# KiCad board cleanrobot-square-main.kicad_pcb
title: HJCS01_Main; date: 2024-05-20; rev: V0.5; company: Ovobot; note: 123x61x1.6mm 白字绿油，无铅喷锡。
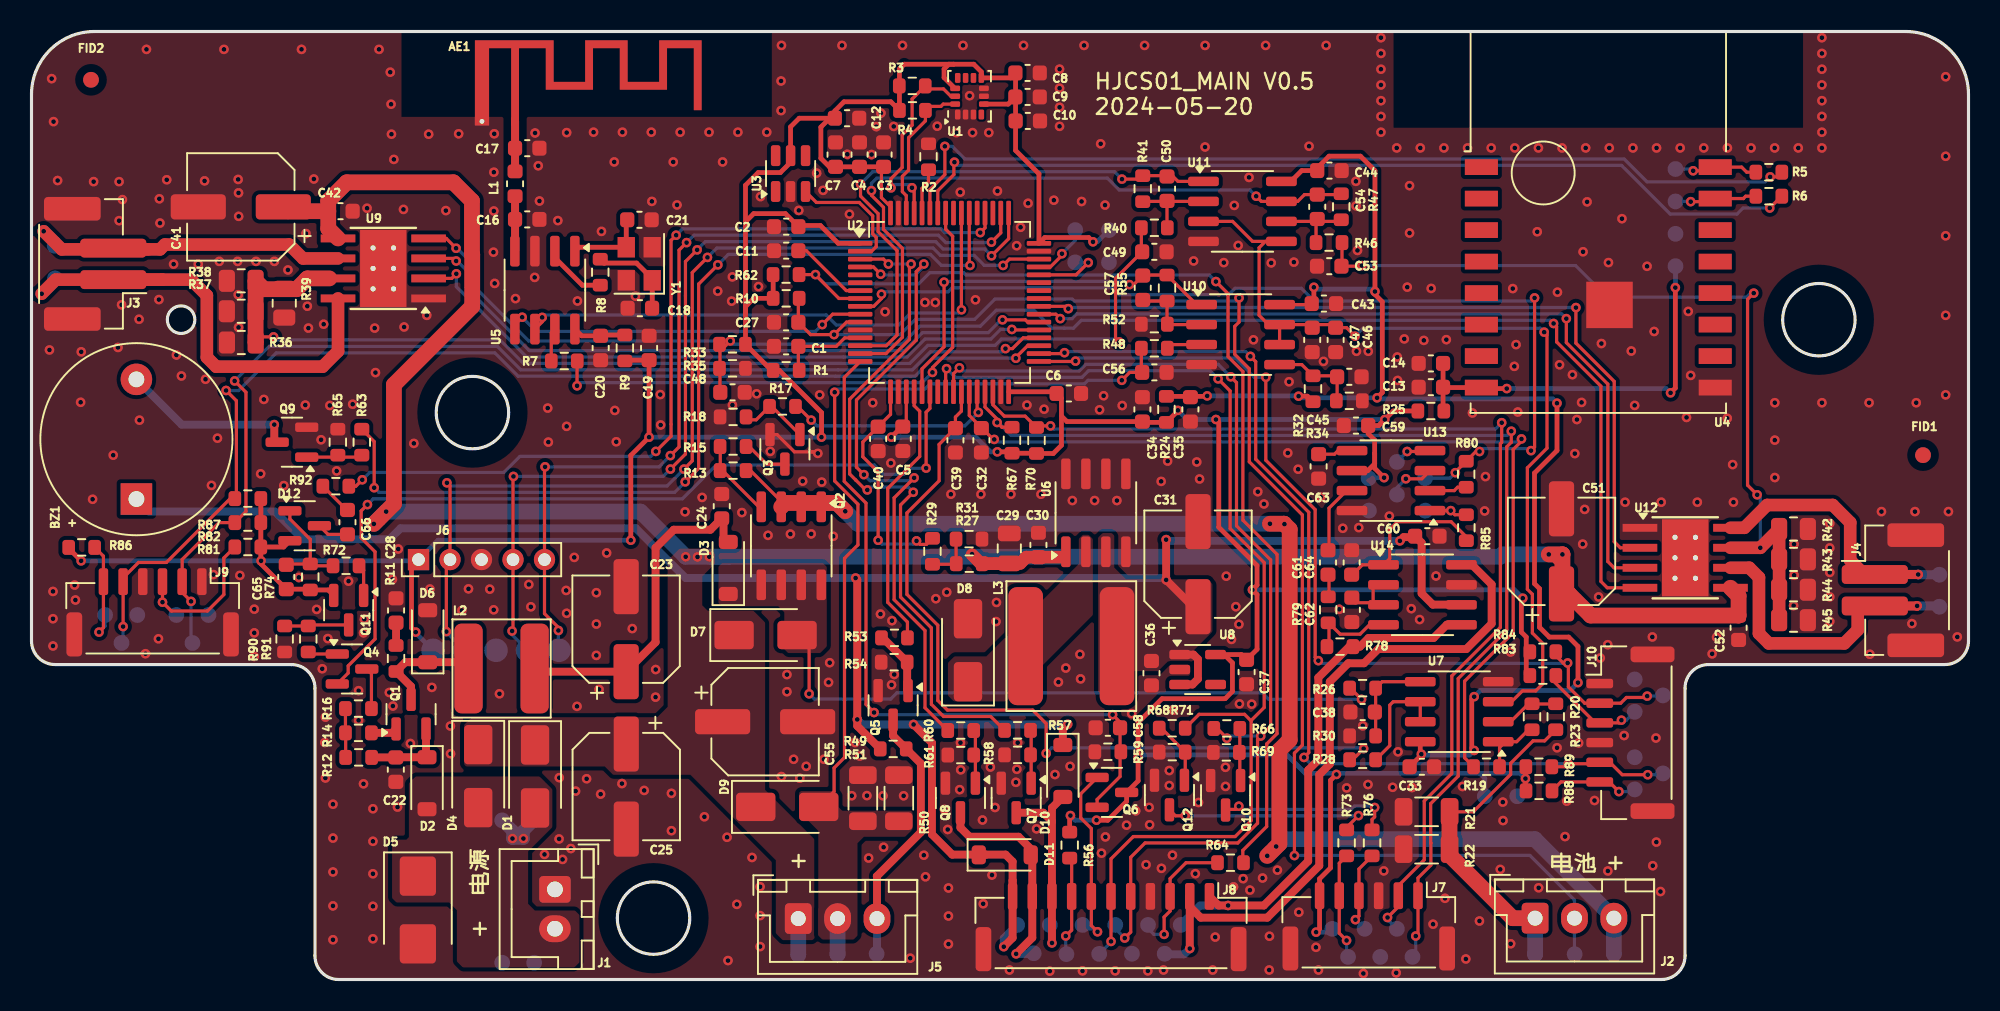
[diagram p0: board, top side]
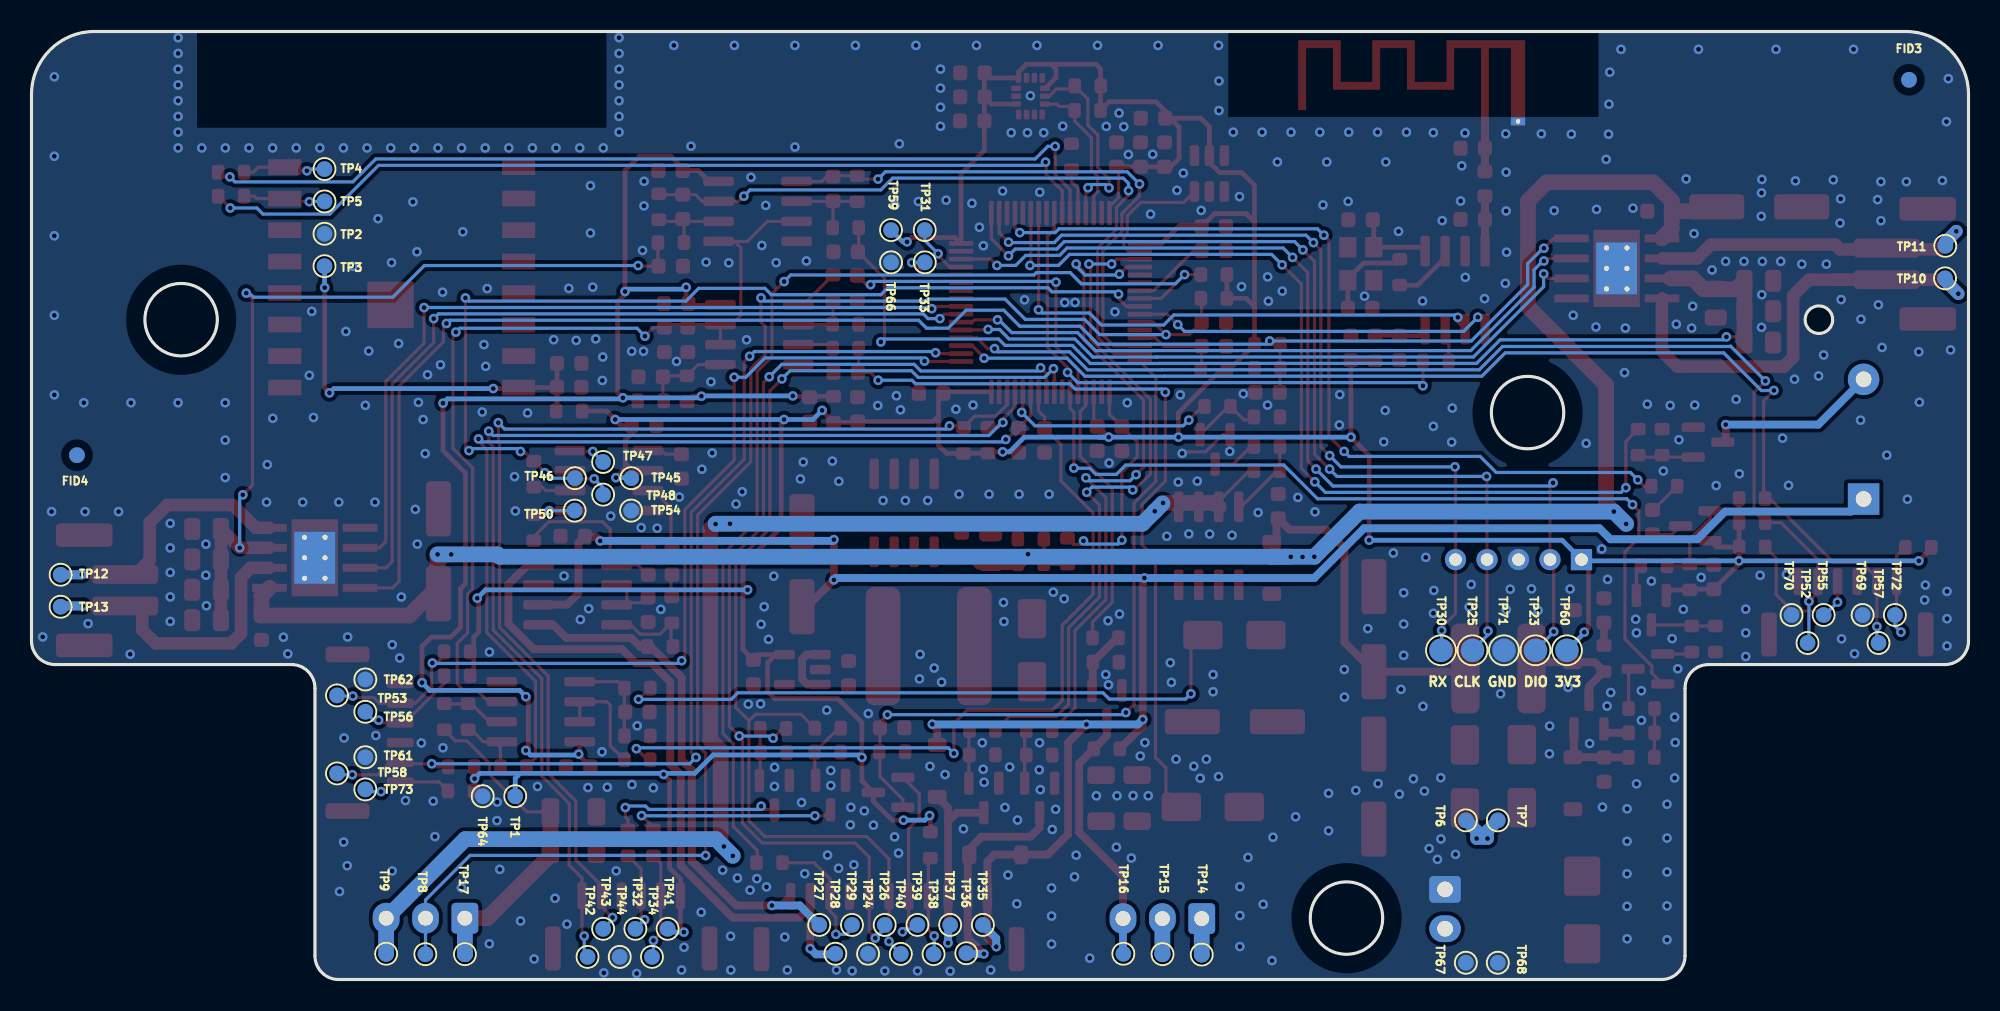
[diagram p1: board, bottom side, seen from below]

Outline 123 x 60.2 mm; copper layers: Top, Bottom. Coordinates in mm from the lower left corner of the outline.
Outline path: circle c9.5,41.9 r0.88 ; circle c28,36 r2.3 ; circle c39.5,3.9 r2.3 ; circle c113.5,41.9 r2.3 ; 105,18.5 arc(105.44,19.56) 106.5,20 ; 105,1.5 105,18.5 ; 105,1.5 arc(104.56,0.44) 103.5,0 19.5,0 arc(18.44,0.44) 18,1.5 18,18.5 arc(17.56,19.56) 16.5,20 1.5,20 arc(0.44,20.44) 0,21.5 0,56.2 arc(1.17,59.03) 4,60.2 119,60.2 arc(121.83,59.03) 123,56.2 123,21.5 arc(122.56,20.44) 121.5,20 106.5,20
Stack: Top 0.035mm / dielectric 1.51mm FR4 er 4.5 / Bottom 0.035mm

## Placement (name value [footprint] x y rotation side)
AE1  Antenna_Shield  [Texas_SWRA117D_2.4GHz_Right]  30.71 54.49 0 top
BZ1  85dB/5V  [Buzzer_12x9.5RM7.6]  6.66 30.51 90 top
C1  0.1uF  [C_0603_1608Metric]  47.92 40.21 0 top
C2  0.1uF  [C_0603_1608Metric]  47.92 47.81 0 top
C3  0.1uF  [C_0603_1608Metric]  54.1 52.38 270 top
C4  0.1uF  [C_0603_1608Metric]  52.58 52.38 270 top
C5  0.1uF  [C_0603_1608Metric]  55.33 34.34 90 top
C6  0.1uF  [C_0603_1608Metric]  65.87 37.21 180 top
C7  4.7uF  [C_0603_1608Metric]  51.06 52.38 270 top
C8  10nF  [C_0603_1608Metric]  63.25 57.57 180 top
C9  0.1uF  [C_0603_1608Metric]  63.25 56.04 180 top
C10  2.2uF  [C_0603_1608Metric]  63.26 54.52 180 top
C11  0.1uF  [C_0603_1608Metric]  47.92 46.28 0 top
C12  0.1uF  [C_0603_1608Metric]  51.79 54.69 0 top
C13  1uF  [C_0603_1608Metric]  88.86 37.61 180 top
C14  0.1uF  [C_0603_1608Metric]  88.86 39.12 180 top
C16  1.2pF  [C_0603_1608Metric]  31.48 48.27 180 top
C17  0.5pF  [C_0603_1608Metric]  31.48 52.79 180 top
C18  22pF  [C_0603_1608Metric]  38.63 42.63 180 top
C19  1uF  [C_0603_1608Metric]  39.22 40.1 90 top
C20  0.1uF  [C_0603_1608Metric]  36.14 40.1 270 top
C21  22pF  [C_0603_1608Metric]  38.61 48.24 0 top
C22  0.1uF  [C_0603_1608Metric]  23.13 13.33 270 top
C23  100uF/35V  [CP_Elec_6.3x7.7]  37.76 22.25 90 top
C24  0.1uF  [C_0603_1608Metric]  43.83 30.05 90 top
C25  100uF/35V  [CP_Elec_6.3x7.7]  37.77 12.25 270 top
C27  0.1uF  [C_0603_1608Metric]  47.92 41.73 180 top
C28  1nF  [C_0603_1608Metric]  23.15 23.43 90 top
C29  10uF/35V  [C_0805_2012Metric]  62.09 27.37 90 top
C30  1uF  [C_0603_1608Metric]  63.94 27.59 90 top
C31  470uF/10V  [CP_Elec_6.3x7.7]  74.07 26.38 90 top
C32  0.1uF  [C_0603_1608Metric]  60.32 34.24 270 top
C33  0.1uF  [C_0603_1608Metric]  88.29 13.51 0 top
C34  1uF  [C_0603_1608Metric]  70.54 36.2 90 top
C35  1uF  [C_0603_1608Metric]  73.59 36.2 270 top
C36  1uF  [C_0603_1608Metric]  71.12 19.45 270 top
C37  1uF  [C_0603_1608Metric]  77.16 19.53 270 top
C38  0.1uF  [C_0603_1608Metric]  84.53 16.98 180 top
C39  0.1uF  [C_0603_1608Metric]  58.67 34.24 270 top
C40  0.1uF  [C_0603_1608Metric]  53.76 34.33 270 top
C41  100uF/35V  [CP_Elec_6.3x7.7]  13.29 49.06 180 top
C42  0.1uF  [C_0603_1608Metric]  19.62 48.79 0 top
C43  0.1uF  [C_0603_1608Metric]  82.07 42.92 0 top
C44  0.1uF  [C_0603_1608Metric]  82.42 51.37 0 top
C45  0.1uF  [C_0603_1608Metric]  83.68 38.27 0 top
C46  0.1uF  [C_0603_1608Metric]  82.81 40.62 270 top
C47  10nF  [C_0603_1608Metric]  81.32 40.62 270 top
C48  0.1uF  [C_0603_1608Metric]  44.51 37.29 0 top
C49  0.1uF  [C_0603_1608Metric]  71.3 46.21 0 top
C50  0.1uF  [C_0603_1608Metric]  72.11 50.22 90 top
C51  100uF/35V  [CP_Elec_6.3x7.7]  97.16 27.19 90 top
C52  0.1uF  [C_0603_1608Metric]  108.4 22.34 270 top
C53  0.1uF  [C_0603_1608Metric]  82.41 45.3 180 top
C54  0.1uF  [C_0603_1608Metric]  81.64 49.07 90 top
C55  100uF/35V  [CP_Elec_6.3x7.7]  46.59 16.37 0 top
C56  0.1uF  [C_0603_1608Metric]  71.3 38.55 180 top
C57  0.1uF  [C_0603_1608Metric]  70.56 43.93 90 top
C58  1uF  [C_0603_1608Metric]  68.35 15.98 180 top
C59  10uF  [C_0603_1608Metric]  84.1 35.18 180 top
C60  1uF  [C_0603_1608Metric]  88.63 28.15 0 top
C61  0.47uF  [C_0603_1608Metric]  82.33 26.48 270 top
C62  1uF  [C_0603_1608Metric]  83.84 23.48 90 top
C63  1nF  [C_0603_1608Metric]  81.73 32.58 270 top
C64  1uF  [C_0603_1608Metric]  83.83 26.48 90 top
C65  10uF  [C_0603_1608Metric]  16.18 25.56 90 top
C66  1uF  [C_0603_1608Metric]  20.06 29.04 90 top
D1  SS34  [D_SMA]  31.98 12.89 270 top
D2  SS14  [D_SOD-123]  25.12 12.46 270 top
D3  SS14  [D_SOD-123]  44.25 26.13 90 top
D4  SS34  [D_SMA]  28.37 12.91 270 top
D5  SMBJ26CA  [D_SMB]  24.53 4.41 270 top
D6  SS14  [D_SOD-123]  25.16 21.8 90 top
D7  SS34  [D_SMA]  46.61 21.87 0 top
D8  SS34  [D_SMA]  59.47 20.91 90 top
D9  1N4004  [D_SMA]  47.99 10.96 0 top
D10  SS14  [D_SOD-123]  65.49 13.24 270 top
D11  SS14  [D_SOD-123]  61.8 7.92 0 top
D12  BAV99  [SOT-23]  17.35 28.81 0 top
FID1  Fiducial  [Fiducial_1mm_Mask2mm]  120.11 33.3 0 top
FID2  Fiducial  [Fiducial_1mm_Mask2mm]  3.78 57.13 0 top
FID3  Fiducial  [Fiducial_1mm_Mask2mm]  3.78 57.13 180 bottom
FID4  Fiducial  [Fiducial_1mm_Mask2mm]  120.11 33.3 180 bottom
J1  XHB2.54MM/2A  [JST_XH_B2B-XH-A_1x02_P2.50mm_Vertical]  33.24 5.72 270 top
J2  XHB2.54MM/3A  [JST_XH_B3B-XH-A_1x03_P2.50mm_Vertical]  95.48 3.89 0 top
J3  HY-2.0MM/2ASMT  [YH_HY_2AB_1x02-1MP_P2.00mm_Vertical]  3.79 45.44 90 top
J4  HY-2.0MM/2ASMT  [YH_HY_2AB_1x02-1MP_P2.00mm_Vertical]  118.45 24.72 270 top
J5  XHB2.54MM/3A  [JST_XH_B3B-XH-A_1x03_P2.50mm_Vertical]  48.69 3.87 0 top
J6  Conn_01x05  [PinHeader_1x05_P2.00mm_Vertical]  24.58 26.67 90 top
J7  GH1.25MM/6ASMT  [JST_GH_BM06B-GHS-TBT_1x06-1MP_P1.25mm_Vertical]  84.92 3.37 180 top
J8  GH1.25MM/11ASMT  [JST_GH_BM11B-GHS-TBT_1x11-1MP_P1.25mm_Vertical]  68.55 3.33 180 top
J9  GH1.25MM/6ASMT  [JST_GH_BM06B-GHS-TBT_1x06-1MP_P1.25mm_Vertical]  7.69 23.31 180 top
J10  GH1.25MM/6ASMT  [JST_GH_BM06B-GHS-TBT_1x06-1MP_P1.25mm_Vertical]  101.53 15.67 270 top
L1  3.6uH  [L_0603_1608Metric]  30.71 50.53 90 top
L2  100uH  [L_GZJ_WNR6045]  29.85 19.75 0 top
L3  68uH  [L_GZJ_WNR8045]  66.03 21.17 0 top
Q1  HSS6107  [SOT-23]  24.1 16.85 90 top
Q2  NCE4435  [SOIC-8_3.9x4.9mm_P1.27mm]  48.25 27.54 270 top
Q3  SS8050  [SOT-23]  47.84 33.67 270 top
Q4  SS8050  [SOT-23]  20.36 19.72 0 top
Q5  SS8050  [SOT-23]  54.71 17.41 270 top
Q6  SS8050  [SOT-23]  68.6 11.88 0 top
Q7  CJ2310  [SOT-23]  62.53 11.53 270 top
Q8  CJ2310  [SOT-23]  58.99 11.53 270 top
Q9  SS8050  [SOT-23]  16.54 34.12 180 top
Q10  SS8050  [SOT-23]  75.82 11.7 270 top
Q11  SS8550  [SOT-23]  20.14 23.45 270 top
Q12  SS8050  [SOT-23]  72.26 11.71 270 top
R1  0R  [R_0603_1608Metric]  47.92 38.68 180 top
R2  10K/1%  [R_0603_1608Metric]  56.96 52.25 270 top
R3  4.7K/1%  [R_0603_1608Metric]  55.93 56.75 180 top
R4  4.7K/1%  [R_0603_1608Metric]  55.94 55.19 180 top
R5  0R  [R_0603_1608Metric]  110.32 51.27 0 top
R6  0R  [R_0603_1608Metric]  110.32 49.74 0 top
R7  1K  [R_0603_1608Metric]  33.83 39.28 180 top
R8  510R  [R_0603_1608Metric]  36.12 44.92 90 top
R9  0R  [R_0603_1608Metric]  37.68 40.1 90 top
R10  10K/1%  [R_0603_1608Metric]  47.92 43.26 0 top
R11  100R  [R_0603_1608Metric]  23.15 20.39 90 top
R12  680R  [R_0603_1608Metric]  20.77 14.11 180 top
R13  10K/1%  [R_0603_1608Metric]  44.55 32.32 0 top
R14  51R  [R_0603_1608Metric]  20.76 15.66 180 top
R15  10K/1%  [R_0603_1608Metric]  44.55 33.85 180 top
R16  680R  [R_0603_1608Metric]  20.76 17.2 0 top
R17  1K  [R_0603_1608Metric]  47.69 36.39 0 top
R18  10K/1%  [R_0603_1608Metric]  44.55 35.73 0 top
R19  100R  [R_0603_1608Metric]  92.4 13.51 180 top
R20  15K/1%  [R_0603_1608Metric]  96.79 16.68 90 top
R21  0.1R/1%  [R_1206_3216Metric]  88.59 10.65 0 top
R22  0.1R/1%  [R_1206_3216Metric]  88.59 8.28 0 top
R23  51K/1%  [R_0603_1608Metric]  95.28 16.68 270 top
R24  0R  [R_0603_1608Metric]  72.07 36.2 90 top
R25  0R  [R_0603_1608Metric]  88.86 36.1 0 top
R26  1M/1%  [R_0603_1608Metric]  84.53 18.5 0 top
R27  1M/1%  [R_0603_1608Metric]  59.55 26.41 180 top
R28  100R  [R_0603_1608Metric]  84.53 13.95 180 top
R29  100R  [R_0603_1608Metric]  57.21 27.19 90 top
R30  100K/1%  [R_0603_1608Metric]  84.53 15.47 180 top
R31  100K/1%  [R_0603_1608Metric]  59.53 27.97 0 top
R32  10K/1%  [R_0603_1608Metric]  81.37 37.51 90 top
R33  0R  [R_0603_1608Metric]  44.51 40.33 180 top
R34  2K/1%  [R_0603_1608Metric]  83.68 36.75 0 top
R35  3.3K/1%  [R_0603_1608Metric]  44.51 38.81 0 top
R36  0.5R/1%  [R_0805_2012Metric]  13.32 40.45 180 top
R37  0.5R/1%  [R_0805_2012Metric]  13.32 42.44 180 top
R38  0.5R/1%  [R_0805_2012Metric]  13.32 44.37 180 top
R39  0.5R/1%  [R_0805_2012Metric]  16.05 42.95 270 top
R40  15K/1%  [R_0603_1608Metric]  71.3 47.73 0 top
R41  51K/1%  [R_0603_1608Metric]  70.56 50.22 90 top
R42  0.5R/1%  [R_0805_2012Metric]  111.89 28.61 0 top
R43  0.5R/1%  [R_0805_2012Metric]  111.89 26.68 0 top
R44  0.5R/1%  [R_0805_2012Metric]  111.89 24.75 0 top
R45  0.5R/1%  [R_0805_2012Metric]  111.89 22.82 0 top
R46  15K/1%  [R_0603_1608Metric]  82.39 46.8 180 top
R47  51K/1%  [R_0603_1608Metric]  83.17 49.07 90 top
R48  1K  [R_0603_1608Metric]  71.3 40.08 0 top
R49  10K/1%  [R_0603_1608Metric]  54.72 14.64 0 top
R50  0.1R/1%  [R_1206_3216Metric]  55.08 11.52 90 top
R51  0.1R/1%  [R_1206_3216Metric]  52.79 11.52 90 top
R52  1K  [R_0603_1608Metric]  71.3 41.61 0 top
R53  1K  [R_0603_1608Metric]  54.8 21.7 180 top
R54  10K/1%  [R_0603_1608Metric]  54.78 20.15 0 top
R55  10K/1%  [R_0603_1608Metric]  72.11 43.91 90 top
R56  470R  [R_0603_1608Metric]  65.93 8.54 270 top
R57  1K  [R_0603_1608Metric]  62.62 15.82 0 top
R58  10K/1%  [R_0603_1608Metric]  62.62 14.26 180 top
R59  470R  [R_0603_1608Metric]  68.35 14.46 180 top
R60  1K  [R_0603_1608Metric]  59.01 15.81 0 top
R61  10K/1%  [R_0603_1608Metric]  59.01 14.25 180 top
R62  10K/1%  [R_0603_1608Metric]  47.91 44.76 0 top
R63  1K  [R_0603_1608Metric]  20.97 34.12 270 top
R64  1K  [R_0603_1608Metric]  76.14 7.42 180 top
R65  10K/1%  [R_0603_1608Metric]  19.45 34.12 90 top
R66  1K  [R_0603_1608Metric]  75.9 15.94 0 top
R67  4.7K/1%  [R_0603_1608Metric]  62.26 34.25 90 top
R68  1K  [R_0603_1608Metric]  72.44 15.96 180 top
R69  10K/1%  [R_0603_1608Metric]  75.87 14.42 180 top
R70  4.7K/1%  [R_0603_1608Metric]  63.82 34.23 90 top
R71  10K/1%  [R_0603_1608Metric]  72.44 14.44 180 top
R72  10K/1%  [R_0603_1608Metric]  19.97 26.27 0 top
R73  330R  [R_0603_1608Metric]  83.51 8.68 270 top
R74  1M/1%  [R_0603_1608Metric]  17.7 25.56 270 top
R76  330R  [R_0603_1608Metric]  85.12 8.68 270 top
R78  10K/1%  [R_0603_1608Metric]  83.09 21.14 0 top
R79  10K/1%  [R_0603_1608Metric]  82.34 23.48 270 top
R80  0R  [R_0603_1608Metric]  91.1 32.09 270 top
R81  100R  [R_0603_1608Metric]  13.74 27.47 180 top
R82  10K/1%  [R_0603_1608Metric]  13.74 29.02 180 top
R83  100R  [R_0603_1608Metric]  95.97 19.3 0 top
R84  10K/1%  [R_0603_1608Metric]  95.97 20.81 0 top
R85  10K/1%  [R_0603_1608Metric]  91.11 28.69 270 top
R86  100R  [R_0603_1608Metric]  3.19 27.44 0 top
R87  10K/1%  [R_0603_1608Metric]  13.74 30.54 180 top
R88  100R  [R_0603_1608Metric]  95.73 11.98 0 top
R89  10K/1%  [R_0603_1608Metric]  95.72 13.51 0 top
R90  10K/1%  [R_0603_1608Metric]  16.08 21.62 270 top
R91  1K  [R_0603_1608Metric]  17.57 21.62 270 top
R92  1K  [R_0603_1608Metric]  19.33 31.33 180 top
TP1  3V3  [TestPoint_Pad_D1.0mm]  92.28 11.64 270 bottom
TP2  GND  [TestPoint_Pad_D1.0mm]  104.39 47.35 270 bottom
TP3  +3.3VP  [TestPoint_Pad_D1.0mm]  104.39 45.3 90 bottom
TP4  RXD  [TestPoint_Pad_D1.0mm]  104.39 51.47 0 bottom
TP5  TXD  [TestPoint_Pad_D1.0mm]  104.39 49.41 0 bottom
TP6  24V  [TestPoint_Pad_D1.0mm]  31.92 10.11 270 bottom
TP7  24V  [TestPoint_Pad_D1.0mm]  29.89 10.11 270 bottom
TP8  TEMP  [TestPoint_Pad_D1.0mm]  97.99 1.61 0 bottom
TP9  BATT_SYS  [TestPoint_Pad_D1.0mm]  100.48 1.63 0 bottom
TP10  L_MOTOR_OUT-  [TestPoint_Pad_D1.0mm]  1.49 44.53 270 bottom
TP11  L_MOTOR_OUT+  [TestPoint_Pad_D1.0mm]  1.47 46.59 270 bottom
TP12  R_MOTOR_OUT-  [TestPoint_Pad_D1.0mm]  121.15 25.7 270 bottom
TP13  R_MOTOR_OUT+  [TestPoint_Pad_D1.0mm]  121.15 23.67 270 bottom
TP14  VDD  [TestPoint_Pad_D1.0mm]  48.69 1.58 180 bottom
TP15  FAN_OUT_N  [TestPoint_Pad_D1.0mm]  51.18 1.61 180 bottom
TP16  FAN_PWM  [TestPoint_Pad_D1.0mm]  53.67 1.63 180 bottom
TP17  GND  [TestPoint_Pad_D1.0mm]  95.48 1.61 0 bottom
TP23  SWD  [TestPoint_Pad_D1.5mm]  27.5 20.91 180 bottom
TP24  GND  [TestPoint_Pad_D1.0mm]  69.88 1.64 180 bottom
TP25  SWC  [TestPoint_Pad_D1.5mm]  31.5 20.91 180 bottom
TP26  RED  [TestPoint_Pad_D1.0mm]  68.82 3.47 180 bottom
TP27  SPEAKER_P  [TestPoint_Pad_D1.0mm]  72.98 3.47 180 bottom
TP28  SPEAKER_N  [TestPoint_Pad_D1.0mm]  71.96 1.64 180 bottom
TP29  START  [TestPoint_Pad_D1.0mm]  70.9 3.47 180 bottom
TP30  RX  [TestPoint_Pad_D1.5mm]  33.5 20.91 180 bottom
TP31  DP  [TestPoint_Pad_D1.0mm]  66.28 47.59 180 bottom
TP32  RED  [TestPoint_Pad_D1.0mm]  84.65 3.22 180 bottom
TP33  DM  [TestPoint_Pad_D1.0mm]  66.28 45.54 180 bottom
TP34  BLUE  [TestPoint_Pad_D1.0mm]  83.6 1.44 180 bottom
TP35  5V  [TestPoint_Pad_D1.0mm]  62.59 3.47 180 bottom
TP36  SPRAY_FRONT  [TestPoint_Pad_D1.0mm]  63.64 1.67 180 bottom
TP37  SPRAY_BACK  [TestPoint_Pad_D1.0mm]  64.66 3.47 180 bottom
TP38  WATER1_DET_P  [TestPoint_Pad_D1.0mm]  65.72 1.61 180 bottom
TP39  WATER1_DET_N  [TestPoint_Pad_D1.0mm]  66.74 3.47 180 bottom
TP40  GREEN  [TestPoint_Pad_D1.0mm]  67.8 1.63 180 bottom
TP41  3V3  [TestPoint_Pad_D1.0mm]  82.6 3.22 180 bottom
TP42  SCL  [TestPoint_Pad_D1.0mm]  87.69 1.44 180 bottom
TP43  SDA  [TestPoint_Pad_D1.0mm]  86.7 3.22 180 bottom
TP44  GND  [TestPoint_Pad_D1.0mm]  85.65 1.44 180 bottom
TP45  3V3  [TestPoint_Pad_D1.0mm]  84.91 31.83 180 bottom
TP46  DO  [TestPoint_Pad_D1.0mm]  88.49 31.83 180 bottom
TP47  CLK  [TestPoint_Pad_D1.0mm]  86.7 32.87 270 bottom
TP48  DI  [TestPoint_Pad_D1.0mm]  86.7 30.79 270 bottom
TP50  CS  [TestPoint_Pad_D1.0mm]  88.51 29.78 180 bottom
TP52  EDGE_DET_LB  [TestPoint_Pad_D1.0mm]  10.22 21.37 0 bottom
TP53  EDGE_DET_RB  [TestPoint_Pad_D1.0mm]  103.6 18.04 180 bottom
TP54  GND  [TestPoint_Pad_D1.0mm]  84.93 29.78 180 bottom
TP55  EDGE_DET_LB_OUT  [TestPoint_Pad_D1.0mm]  9.2 23.15 0 bottom
TP56  EDGE_DET_LT_OUT  [TestPoint_Pad_D1.0mm]  101.8 17 0 bottom
TP57  EDGE_DET_LT  [TestPoint_Pad_D1.0mm]  5.72 21.37 0 bottom
TP58  EDGE_DET_RT  [TestPoint_Pad_D1.0mm]  103.6 13.09 90 bottom
TP59  3V3  [TestPoint_Pad_D1.0mm]  68.42 47.59 270 bottom
TP60  3V3  [TestPoint_Pad_D1.5mm]  25.5 20.91 90 bottom
TP61  GND  [TestPoint_Pad_D1.0mm]  101.8 14.11 90 bottom
TP62  GND  [TestPoint_Pad_D1.0mm]  101.8 19.05 270 bottom
TP64  GND  [TestPoint_Pad_D1.0mm]  94.35 11.64 180 bottom
TP66  GND  [TestPoint_Pad_D1.0mm]  68.42 45.54 270 bottom
TP67  GND  [TestPoint_Pad_D1.0mm]  29.89 1.06 270 bottom
TP68  GND  [TestPoint_Pad_D1.0mm]  31.92 1.06 180 bottom
TP69  GND  [TestPoint_Pad_D1.0mm]  6.72 23.15 0 bottom
TP70  GND  [TestPoint_Pad_D1.0mm]  11.24 23.15 180 bottom
TP71  GND  [TestPoint_Pad_D1.5mm]  29.5 20.91 90 bottom
TP72  EDGE_DET_RB_OUT  [TestPoint_Pad_D1.0mm]  4.67 23.15 0 bottom
TP73  EDGE_DET_RT_OUT  [TestPoint_Pad_D1.0mm]  101.8 12.07 270 bottom
U1  ICM-42670-N  [LGA-14_3x2.5mm_P0.5mm_LayoutBorder3x4y]  59.56 56.09 90 top
U2  MM32F0163D7P  [LQFP-64_10x10mm_P0.5mm]  58.3 43 0 top
U3  PMS150C-U06(0xD407B2)  [SOT-23-6]  48.2 51.18 90 top
U4  BT3L  [Tuya_BT3L]  99.49 44.59 0 top
U5  GH6220B  [SOIC-8_3.9x4.9mm_P1.27mm]  32.6 43.78 270 top
U6  XL1509-5.0E1  [SOIC-8_3.9x4.9mm_P1.27mm]  67.59 29.64 90 top
U7  LMV358TP-SR  [SOIC-8_3.9x4.9mm_P1.27mm]  90.66 17.01 180 top
U8  DS8562-33S5  [SOT-23-5]  74.05 19.68 0 top
U9  DRV8870DDAR  [Texas_HTSOP-8-1EP_3.9x4.9mm_P1.27mm_EP2.95x4.9mm_Mask2.4x3.1mm_ThermalVias]  22.34 45.16 180 top
U10  LMV358TP-SR  [SOIC-8_3.9x4.9mm_P1.27mm]  76.78 40.95 0 top
U11  LMV358TP-SR  [SOIC-8_3.9x4.9mm_P1.27mm]  76.89 48.78 0 top
U12  DRV8870DDAR  [Texas_HTSOP-8-1EP_3.9x4.9mm_P1.27mm_EP2.95x4.9mm_Mask2.4x3.1mm_ThermalVias]  105.01 26.78 0 top
U13  WT588F02B-8S-B2(EHJS-01)  [SOIC-8_3.9x4.9mm_P1.27mm]  86.33 31.68 180 top
U14  8002A  [SOIC-8_3.9x4.9mm_P1.27mm]  88.33 24.43 0 top
Y1  16MHz/22pF(10ppm)  [Oscillator_SMD_Abracon_ASE-4Pin_3.2x2.5mm]  38.59 45.45 90 top

## Library data of the parts
AE1 = -: Description: Antenna with extra pin for shielding
BZ1 = -: Description: Buzzer, polarized
C1-C14 C16-C22 C24 C27-C30 C32-C40 C42-C50 C52-C54 C56-C66 = -: Description: Unpolarized capacitor
C23 C25 C31 C41 C51 C55 = -: Description: Polarized capacitor
D1-D4 D6-D11 = -: Description: Diode
D5 = -: Description: Zener diode
D12 = -: Description: BAV99 High-speed switching diodes, SOT-23
FID1-FID4 = -: Description: Fiducial Marker
J1 = -: Description: Generic connector, single row, 01x02, script generated (kicad-library-utils/schlib/autogen/connector/)
J2 J5 = -: Description: Generic connector, single row, 01x03, script generated (kicad-library-utils/schlib/autogen/connector/)
J3 J4 = -: Description: Generic connectable mounting pin connector, single row, 01x02, script generated (kicad-library-utils/schlib/autogen/connector/)
J6 = -: Description: Generic connector, single row, 01x05, script generated (kicad-library-utils/schlib/autogen/connector/)
J7 J9 J10 = -: Description: Generic connectable mounting pin connector, single row, 01x06, script generated (kicad-library-utils/schlib/autogen/connector/)
J8 = -: Description: Generic connectable mounting pin connector, single row, 01x11, script generated (kicad-library-utils/schlib/autogen/connector/)
L1 = -: Description: Inductor
L2 L3 = -: Description: Inductor symbol for simulation only
Q1 = -: Description: P-MOSFET transistor, gate/source/drain
Q2 = -: Description: -5.3A Id, -30V Vds, P-Channel MOSFET, 50mOhm Ron, SO-8
Q3-Q6 Q9 Q10 Q12 = -: Description: NPN transistor, base/emitter/collector
Q7 Q8 = -: Description: N-MOSFET transistor, gate/source/drain
Q11 = -: Description: PNP transistor, base/emitter/collector
R1-R74 R76 R78-R92 = -: Description: Resistor
TP1-TP17 TP23-TP48 TP50 TP52-TP62 TP64 TP66-TP73 = -: Description: test point (alternative probe-style design)
U1 = -: Description: I2C/SPI, iNEMO inertial module: always-on 3D accelerometer and 3D gyroscope
U2 = -: Description: STMicroelectronics Arm Cortex-M0 MCU, 128KB flash, 16KB RAM, 48 MHz, 2.4-3.6V, 51 GPIO, LQFP64
U7 U10 U11 = -: Description: 1MHz, Low-Power Op Amp, SOIC-8
U9 U12 = -: Description: Brushed DC Motor Driver, PWM Control, 45V, 3.6A, Dynamic current limiting, HTSOP-8
Y1 = -: Description: Four pin crystal, GND on pins 2 and 4

## Footprints (pads in the part's own frame, mm; a bottom-side part is the same pattern mirrored in y, then rotated)
Buzzer_12x9.5RM7.6
  rect 2x2 hole 1: 1(0,0)
  round 2 hole 1: 2(7.6,0)
C_0603_1608Metric
  rrect 0.9x0.95 smd: 1(-0.775,0) 2(0.775,0)
C_0805_2012Metric
  rrect 1x1.45 smd: 1(-0.95,0) 2(0.95,0)
CP_Elec_6.3x7.7
  rrect 3.5x1.6 smd: 1(-2.7,0) 2(2.7,0)
D_SMA
  rrect 2.5x1.8 smd: 1(-2,0) 2(2,0)
D_SMB
  rrect 2.5x2.3 smd: 1(-2.15,0) 2(2.15,0)
D_SOD-123
  rrect 0.9x1.2 smd: 1(-1.65,0) 2(1.65,0)
Fiducial_1mm_Mask2mm
  round 1 smd: (0,0)
JST_GH_BM06B-GHS-TBT_1x06-1MP_P1.25mm_Vertical
  rrect 0.6x1.7 smd: 1(-3.125,-1.95) 2(-1.875,-1.95) 3(-0.625,-1.95) 4(0.625,-1.95) 5(1.875,-1.95) 6(3.125,-1.95)
  rrect 1x2.8 smd: MP(-4.975,1.4) MP(4.975,1.4)
JST_GH_BM11B-GHS-TBT_1x11-1MP_P1.25mm_Vertical
  rrect 0.6x1.7 smd: 1(-6.25,-1.95) 2(-5,-1.95) 3(-3.75,-1.95) 4(-2.5,-1.95) 5(-1.25,-1.95) 6(0,-1.95) 7(1.25,-1.95) 8(2.5,-1.95) 9(3.75,-1.95) 10(5,-1.95) 11(6.25,-1.95)
  rrect 1x2.8 smd: MP(-8.1,1.4) MP(8.1,1.4)
JST_XH_B2B-XH-A_1x02_P2.50mm_Vertical
  rrect 1.7x2 hole 1: 1(0,0)
  oval 1.7x2 hole 1: 2(2.5,0)
JST_XH_B3B-XH-A_1x03_P2.50mm_Vertical
  rrect 1.7x1.95 hole 0.95: 1(0,0)
  oval 1.7x1.95 hole 0.95: 2(2.5,0) 3(5,0)
L_0603_1608Metric
  rrect 0.875x0.95 smd: 1(-0.787,0) 2(0.787,0)
L_GZJ_WNR6045
  rrect 1.8x5.7 smd: 1(-2.1,0) 2(2.1,0)
L_GZJ_WNR8045
  rrect 2.2x7.5 smd: 1(-2.9,0) 2(2.9,0)
LGA-14_3x2.5mm_P0.5mm_LayoutBorder3x4y
  rrect 0.625x0.35 smd: 1(-1.163,0.75) 2(-1.163,0.25) 3(-1.163,-0.25) 4(-1.163,-0.75) 8(1.163,-0.75) 9(1.163,-0.25) 10(1.163,0.25) 11(1.163,0.75)
  rrect 0.35x0.625 smd: 5(-0.5,-0.912) 6(0,-0.912) 7(0.5,-0.912) 12(0.5,0.912) 13(0,0.912) 14(-0.5,0.912)
LQFP-64_10x10mm_P0.5mm
  rrect 1.55x0.3 smd: 1(-5.675,3.75) 2(-5.675,3.25) 3(-5.675,2.75) 4(-5.675,2.25) 5(-5.675,1.75) 6(-5.675,1.25) 7(-5.675,0.75) 8(-5.675,0.25) 9(-5.675,-0.25) 10(-5.675,-0.75) 11(-5.675,-1.25) 12(-5.675,-1.75) 13(-5.675,-2.25) 14(-5.675,-2.75) 15(-5.675,-3.25) 16(-5.675,-3.75) 33(5.675,-3.75) 34(5.675,-3.25) 35(5.675,-2.75) 36(5.675,-2.25) 37(5.675,-1.75) 38(5.675,-1.25) 39(5.675,-0.75) 40(5.675,-0.25) 41(5.675,0.25) 42(5.675,0.75) 43(5.675,1.25) 44(5.675,1.75) 45(5.675,2.25) 46(5.675,2.75) 47(5.675,3.25) 48(5.675,3.75)
  rrect 0.3x1.55 smd: 17(-3.75,-5.675) 18(-3.25,-5.675) 19(-2.75,-5.675) 20(-2.25,-5.675) 21(-1.75,-5.675) 22(-1.25,-5.675) 23(-0.75,-5.675) 24(-0.25,-5.675) 25(0.25,-5.675) 26(0.75,-5.675) 27(1.25,-5.675) 28(1.75,-5.675) 29(2.25,-5.675) 30(2.75,-5.675) 31(3.25,-5.675) 32(3.75,-5.675) 49(3.75,5.675) 50(3.25,5.675) 51(2.75,5.675) 52(2.25,5.675) 53(1.75,5.675) 54(1.25,5.675) 55(0.75,5.675) 56(0.25,5.675) 57(-0.25,5.675) 58(-0.75,5.675) 59(-1.25,5.675) 60(-1.75,5.675) 61(-2.25,5.675) 62(-2.75,5.675) 63(-3.25,5.675) 64(-3.75,5.675)
Oscillator_SMD_Abracon_ASE-4Pin_3.2x2.5mm
  rect 1.3x1.1 smd: 1(-1.05,-0.825) 2(1.05,-0.825) 3(1.05,0.825) 4(-1.05,0.825)
PinHeader_1x05_P2.00mm_Vertical
  rect 1.35x1.35 hole 0.8: 1(0,0)
  oval 1.35x1.35 hole 0.8: 2(0,-2) 3(0,-4) 4(0,-6) 5(0,-8)
R_0603_1608Metric
  rrect 0.8x0.95 smd: 1(-0.825,0) 2(0.825,0)
R_0805_2012Metric